# Altium PCB Main.PcbDoc (part 5 of 5)
Units mm, origin at the board's own origin, x right, y up, seen from the top; angles counter-clockwise.
Board outline 150.25 x 70.25 mm, 2 copper layers (Top Layer, Bottom Layer); 122 components, 135 nets, 595 pads, 384 vias.
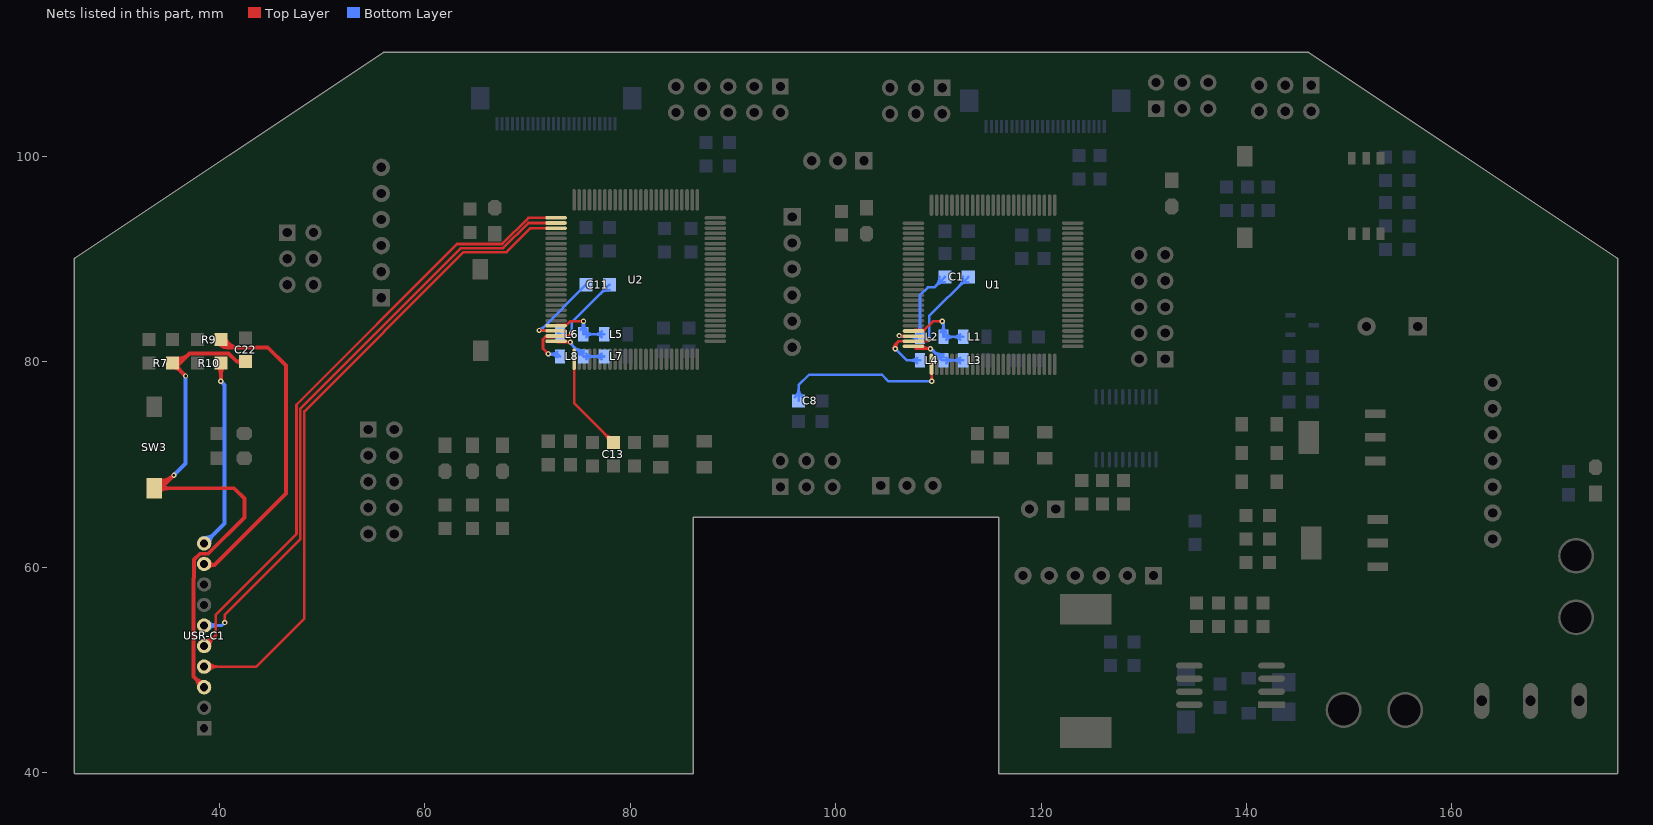
[diagram p5: the nets of this part, all layers, seen from the top]

## Via types
v1: diameter 0.508, hole 0.254, Top Layer to Bottom Layer, tented both sides, 206 vias
v2: diameter 0.508, hole 0.381, Top Layer to Bottom Layer, tented both sides, 164 vias
v3: diameter 0.762, hole 0.508, Top Layer to Bottom Layer, tented both sides, 11 vias
v4: diameter 4.5, hole 4, Top Layer to Bottom Layer, tented both sides, 3 vias

## Nets (pads, with @x,y where several pads share a name; then routed paths per layer and width w, separated by ;. In a path a pad name is that pad's centre, name@x,y a point inside that pad or via, vN(x,y) a via of type N, cw(c..) or ccw(c..) an arc to the next point about the centre after c; other vN are vias at no path point) (continued)
VDDA_A: L1.2 L2.1 U1.22 | length 12.5
  Top Layer w0.254: U1.22@107.569,83.003 107.667,83.101 108.611,83.101 ; U1.22@108.444,83.051 ccw(c108.444,83.332) 108.643,83.133 ; U1.22@108.452,83.05 ccw(c108.482,83.229) 108.611,83.101 ; v1@110.273,83.857 ccw(c110.056,83.64) 110.056,83.947 ccw(c110.056,84.254) v1@110.273,84.037 ; v1(110.363,83.947) 109.457,83.947 108.611,83.101
  Bottom Layer w0.254: L2.1@110.221,82.883 ccw(c109.57,83.533) 110.49,83.533 ccw(c111.41,83.533) L2.1@110.759,82.883 ; v1@110.273,83.857 cw(c109.75,83.334) 110.49,83.334 ; v1(110.363,83.947) 110.49,83.82 L2.1@110.49,82.423 L1.2@112.395,82.423 ; L2.1@110.759,82.154 cw(c111.41,81.503) 111.41,82.423 cw(c111.41,83.343) L2.1@110.759,82.692 ; L1.2@112.126,82.154 ccw(c111.475,81.503) 111.475,82.423 ccw(c111.475,83.343) L1.2@112.126,82.692
VDDA_B: L5.2 L6.1 U2.22 | length 12.5
  Top Layer w0.254: U2.22@72.771,83.511 72.869,83.609 73.813,83.609 ; U2.22@73.646,83.559 ccw(c73.646,83.84) 73.845,83.641 ; U2.22@73.654,83.558 ccw(c73.684,83.737) 73.813,83.609 ; v1@75.348,83.857 ccw(c75.131,83.64) 75.131,83.947 ccw(c75.131,84.254) v1@75.348,84.037 ; v1(75.438,83.947) 74.151,83.947 73.813,83.609
  Bottom Layer w0.254: L6.1@75.169,83.137 ccw(c74.518,83.787) 75.438,83.787 ccw(c76.358,83.787) L6.1@75.707,83.137 ; v1@75.328,83.884 cw(c74.94,83.66) 75.373,83.544 ; v1@75.348,83.857 cw(c75.131,83.64) 75.438,83.64 cw(c75.745,83.64) v1@75.528,83.857 ; v1(75.438,83.947) L6.1@75.438,82.677 L5.2@77.47,82.677 ; 75.503,83.544 cw(c75.936,83.66) v1@75.548,83.884 ; L6.1@75.707,82.408 cw(c76.358,81.757) 76.358,82.677 cw(c76.358,83.597) L6.1@75.707,82.946 ; L5.2@77.201,82.408 ccw(c76.55,81.757) 76.55,82.677 ccw(c76.55,83.597) L5.2@77.201,82.946
VREF_OUT_A: C8.2 U1.26 | length 19.9
  Top Layer w0.254: v1@109.257,78.195 ccw(c109.04,78.412) 109.347,78.412 ccw(c109.654,78.412) v1@109.437,78.195 ; U1.26@109.288,78.842 cw(c109.144,78.698) 109.347,78.698 ; U1.26@109.322,79.751 109.347,79.725 v1(109.347,78.105)
  Bottom Layer w0.254: C8.2@96.034,76.559 ccw(c95.167,77.426) 96.393,77.426 ccw(c97.619,77.426) C8.2@96.752,76.559 ; C8.2@96.393,76.2 96.393,77.724 97.409,78.74 104.521,78.74 105.156,78.105 v1(109.347,78.105) ; v1@109.257,78.015 ccw(c109.04,77.798) 109.04,78.105 ccw(c109.04,78.412) v1@109.257,78.195
VREF_OUT_B: C13.2 U2.26 | length 11.6
  Top Layer w0.254: U2.26@74.524,80.259 74.524,75.971 C13.2@78.359,72.136 ; C13.2@77.851,72.136 ccw(c76.625,72.136) 77.492,73.003 ccw(c78.359,73.87) C13.2@78.359,72.644
VREFH_A: C1.2 L2.2 U1.23 | length 16.5
  Top Layer w0.254: v1(106.172,82.55) 106.219,82.503 U1.23@107.569,82.503 ; v1@106.262,82.64 ccw(c106.592,82.97) U1.23@106.592,82.503
  Bottom Layer w0.254: v1(106.172,82.55) 106.299,82.423 L2.2@108.204,82.423 108.204,86.487 108.966,87.249 109.601,87.249 C1.2@110.617,88.265 ; v1@106.262,82.64 ccw(c106.785,83.163) 106.785,82.423 ; L2.2@107.935,82.154 ccw(c107.284,81.503) 107.284,82.423 ccw(c107.284,83.343) L2.2@107.935,82.692 ; L2.2@107.935,82.883 ccw(c107.284,83.533) 108.204,83.533 ccw(c109.124,83.533) L2.2@108.473,82.883 ; C1.2@110.109,88.265 cw(c108.883,88.265) 109.75,87.398 cw(c110.617,86.531) C1.2@110.617,87.757
VREFH_B: C11.2 L6.2 U2.23 | length 11.3
  Top Layer w0.254: v1(71.12,83.058) 72.724,83.058 U2.23@72.771,83.011 ; v1@71.21,82.968 cw(c71.427,82.751) 71.427,83.058 cw(c71.427,83.365) v1@71.21,83.148 ; 71.667,83.058 cw(c71.667,82.782) U2.23@71.862,82.977
  Bottom Layer w0.254: v1(71.12,83.058) v1@71.247,83.058 ; v1@71.12,83.185 ccw(c71.12,83.798) 71.554,83.365 ; L6.2@73.152,82.677 72.771,83.058 v1@71.247,83.058 ; C11.2@75.692,87.503 v1@71.247,83.058
VREFL_A: C1.1 L4.2 U1.24 | length 21.2
  Top Layer w0.254: v1@105.666,81.257 cw(c106.114,81.34) 105.792,81.662 ; v1@105.701,81.37 ccw(c105.484,81.587) 105.791,81.587 ccw(c106.098,81.587) v1@105.881,81.37 ; v1(105.791,81.28) 105.791,81.661 106.133,82.003 ; v1@105.916,81.303 cw(c106.689,81.447) 106.133,82.003 ; U1.24@108.386,82.003 ccw(c108.386,82.876) v1@109.003,82.259 ; v1(109.093,82.169) 108.927,82.003 U1.24@107.569,82.003 106.133,82.003
  Bottom Layer w0.254: v1@105.791,81.153 cw(c105.791,80.846) 106.008,81.063 cw(c106.225,81.28) v1@105.918,81.28 ; v1(105.791,81.28) 106.934,80.137 L4.2@108.204,80.137 ; L4.2@107.935,79.868 ccw(c107.284,79.217) 107.284,80.137 ccw(c107.284,81.057) L4.2@107.935,80.406 ; v1@109.003,82.259 ccw(c108.786,82.476) 109.093,82.476 ccw(c109.4,82.476) v1@109.183,82.259 ; v1(109.093,82.169) 109.093,84.455 C1.1@112.903,88.265 ; C1.1@112.395,88.265 cw(c111.169,88.265) 112.036,87.398 cw(c112.903,86.531) C1.1@112.903,87.757
VREFL_B: C11.1 L8.2 U2.24 | length 18.3
  Top Layer w0.254: 71.697,82.381 cw(c71.896,82.182) U2.24@71.896,82.463 ; v1@71.882,80.772 ccw(c71.575,80.772) 71.792,80.989 ccw(c72.009,81.206) v1@72.009,80.899 ; U2.24@71.888,82.464 ccw(c71.858,82.285) 71.73,82.413 ; v1(72.009,80.772) 71.501,81.28 71.501,81.602 71.494,81.609 71.494,82.178 71.73,82.413 ; v1@74.168,82.804 cw(c73.861,82.804) 74.078,82.587 cw(c74.295,82.37) v1@74.295,82.677 ; v1(74.295,82.804) 74.002,82.511 U2.24@72.771,82.511 72.673,82.413 71.73,82.413
  Bottom Layer w0.254: v1(72.009,80.772) 72.898,80.772 L8.2@73.152,80.518 ; v1@72.072,80.662 cw(c72.257,80.343) 72.352,80.699 ; v1@72.079,80.772 cw(c72.079,79.635) L8.2@72.883,80.439 ; v1@72.099,80.682 cw(c72.316,80.465) 72.316,80.772 cw(c72.316,81.079) v1@72.099,80.862 ; v1@72.119,80.836 ccw(c72.331,80.958) 72.268,80.721 ; 72.385,80.772 ccw(c72.385,81.475) L8.2@72.883,80.978 ; v1@74.205,82.894 ccw(c73.988,83.111) 74.295,83.111 ccw(c74.602,83.111) v1@74.385,82.894 ; v1(74.295,82.804) 74.295,83.82 C11.1@77.978,87.503 ; C11.1@77.47,87.503 cw(c76.244,87.503) 77.111,86.636 cw(c77.978,85.769) C11.1@77.978,86.995
VSSA_A: L3.2 L4.1 U1.25 | length 14.2
  Top Layer w0.254: U1.25@107.569,81.503 107.792,81.28 v1(109.22,81.28) ; 108.841,81.348 ccw(c108.948,81.75) 109.157,81.39 cw(c108.949,81.749) 108.842,81.349 ; v1@109.096,81.28 cw(c109.096,82.152) 108.478,81.537 ccw(c109.098,82.157) v1@109.098,81.28 ; v1@109.13,81.19 ccw(c108.913,80.973) 108.913,81.28 ccw(c108.913,81.587) v1@109.13,81.37 ; U1.25@108.299,81.357 ccw(c108.485,81.544) 108.485,81.28 cw(c108.485,81.544) U1.25@108.298,81.358
  Bottom Layer w0.254: v1@109.22,81.153 cw(c109.22,80.846) 109.437,81.063 cw(c109.654,81.28) v1@109.347,81.28 ; v1(109.22,81.28) 110.363,80.137 L4.1@110.49,80.137 L3.2@112.395,80.137 ; v1@109.298,81.202 ccw(c110.49,82.395) L4.1@110.49,80.709 ; v1@109.343,81.313 ccw(c109.732,81.417) 109.531,81.068 ; 109.731,80.769 ccw(c110.49,81.528) L4.1@110.49,80.454 ; L4.1@110.759,79.868 cw(c111.41,79.217) 111.41,80.137 cw(c111.41,81.057) L4.1@110.759,80.406 ; L3.2@112.126,79.868 ccw(c111.475,79.217) 111.475,80.137 ccw(c111.475,81.057) L3.2@112.126,80.406
VSSA_B: L7.2 L8.1 U2.25 | length 11.9
  Top Layer w0.254: U2.25@72.771,82.011 72.867,81.915 v1(74.168,81.915) ; U2.25@73.68,82.045 ccw(c73.994,82.359) v1@73.994,81.915 ; 73.847,81.954 ccw(c73.914,82.202) v1@74.084,82.01 ; v1@74.078,81.825 ccw(c73.861,81.608) 73.861,81.915 ccw(c73.861,82.222) v1@74.078,82.005
  Bottom Layer w0.254: v1(74.168,81.915) 74.168,81.788 L8.1@75.438,80.518 L7.2@77.47,80.518 ; v1@74.295,81.915 ccw(c74.908,81.915) 74.475,81.481 ; 74.462,81.494 ccw(c75.438,82.469) L8.1@75.438,81.09 ; 74.896,81.06 ccw(c75.438,81.602) L8.1@75.438,80.835 ; 74.922,81.034 cw(c74.597,80.709) L8.1@75.057,80.709 ; L8.1@75.707,80.249 cw(c76.358,79.598) 76.358,80.518 cw(c76.358,81.438) L8.1@75.707,80.787 ; L7.2@77.201,80.249 ccw(c76.55,79.598) 76.55,80.518 ccw(c76.55,81.438) L7.2@77.201,80.787
WIFI_LK: R10.2 USR-C1.10 | length 22.2
  Top Layer w0.381: R10.2@39.818,79.569 cw(c39.059,78.81) 40.132,78.81 cw(c41.205,78.81) R10.2@40.446,79.569 ; v1(40.132,78.105) R10.2@40.132,79.883
  Bottom Layer w0.381: USR-C1.10@38.506,62.323 38.551,62.323 40.499,64.27 40.499,77.738 v1(40.132,78.105) ; USR-C1.10@38.506,62.831 ccw(c38.506,64.166) 39.45,63.222 ; USR-C1.10@39.014,62.323 cw(c40.133,62.323) 39.342,63.114
WIFI_RD: R9.2 USR-C1.9 | length 38
  Top Layer w0.381: USR-C1.9@38.506,60.323 38.619,60.21 39.509,60.21 ; USR-C1.9@38.866,59.964 cw(c39.461,59.369) 39.461,60.21 ; USR-C1.9@38.961,60.55 ccw(c39.509,60.823) 39.509,60.21 ; R9.2@39.828,82.078 ccw(c40.729,82.348) 40.729,81.407 ; R9.2@40.132,81.724 cw(c40.132,80.651) 40.891,81.41 cw(c41.65,82.169) R9.2@40.576,82.169 ; R9.2@40.132,82.169 40.894,81.407 41.753,81.407 41.79,81.371 43.3,81.371 43.337,81.407 44.704,81.407 46.482,79.629 46.482,67.183 39.509,60.21 ; R9.2@40.193,82.187 ccw(c41.241,82.501) 41.241,81.407 ; R9.2@40.558,82.297 ccw(c41.753,82.655) 41.753,81.407
WIFI_RL: C22.2 R7.1 SW3.2 USR-C1.3 | length 68
  Top Layer w0.381: SW3.2@33.604,67.745 ccw(c33.871,68.769) 34.62,68.021 ; SW3.2@33.655,67.691 SW3.2@34.29,67.691 ; SW3.2@33.7,68.114 ccw(c34.066,69.515) 35.09,68.491 ; SW3.2@33.796,68.482 ccw(c34.261,70.26) v1(35.56,68.961) SW3.2@34.29,67.691 ; SW3.2@34.051,67.295 cw(c35.006,66.34) 35.006,67.691 cw(c35.006,69.042) SW3.2@34.051,68.087 ; R7.1@35.375,79.571 ccw(c35.517,80.336) R7.1@36.068,79.786 ; R7.1@35.433,79.438 cw(c35.433,78.365) 36.192,79.124 cw(c36.951,79.883) R7.1@35.877,79.883 ; R7.1@35.445,79.945 ccw(c35.678,81.198) 36.579,80.297 ; R7.1@35.514,80.32 ccw(c35.839,82.06) 37.091,80.808 ; R7.1@35.827,79.678 cw(c36.165,79.502) 36.165,79.883 cw(c36.165,80.264) R7.1@35.827,80.088 ; v1(36.703,78.613) R7.1@35.433,79.883 36.165,79.883 37.091,80.808 ; USR-C1.3@37.998,48.323 ccw(c36.772,48.323) 37.639,49.19 ccw(c38.506,50.057) USR-C1.3@38.506,48.831 ; USR-C1.3@38.506,48.323 37.465,49.364 37.465,58.928 37.517,58.98 37.517,60.733 38.097,61.312 38.894,61.312 42.418,64.836 42.418,66.675 41.402,67.691 SW3.2@34.29,67.691 ; C22.2@42.182,79.753 ccw(c41.686,79.402) 41.686,80.01 ccw(c41.686,80.618) C22.2@42.182,80.267 ; C22.2@42.545,80.01 41.686,80.01 40.887,80.808 37.091,80.808
  Bottom Layer w0.381: v1(35.56,68.961) 36.703,70.104 v1(36.703,78.613)
WIFI_RST: U2.3 USR-C1.4 | length 67.1
  Top Layer w0.254: USR-C1.4@38.506,50.323 43.592,50.323 48.26,54.991 48.26,75.184 63.754,90.678 67.945,90.678 70.278,93.011 U2.3@72.771,93.011 ; USR-C1.4@38.731,50.098 cw(c39.273,49.556) 39.273,50.323 cw(c39.273,51.09) USR-C1.4@38.731,50.548 ; USR-C1.4@38.911,49.919 cw(c39.886,48.943) 39.886,50.323 cw(c39.886,51.703) USR-C1.4@38.911,50.727
WIFI_RX: U2.1 USR-C1.5 | length 63
  Top Layer w0.254: USR-C1.5@38.506,52.323 38.607,52.323 39.624,53.34 ; USR-C1.5@38.513,52.64 ccw(c38.531,53.589) 39.202,52.918 ; USR-C1.5@38.518,52.894 ccw(c38.548,54.416) 39.624,53.34 ; USR-C1.5@39.078,52.323 cw(c40.215,52.323) 39.411,53.127 ; U2.1@72.771,94.011 70.075,94.011 67.531,91.467 63.146,91.467 47.498,75.819 47.498,63.246 39.624,55.372 39.624,53.34
WIFI_TX: U2.2 USR-C1.6 | length 62.7
  Top Layer w0.254: v1@40.423,54.7 ccw(c40.206,54.917) 40.513,54.917 ccw(c40.82,54.917) v1@40.603,54.7 ; v1(40.513,54.61) 40.513,55.372 47.879,62.738 47.879,75.438 63.5,91.059 67.624,91.059 70.076,93.511 U2.2@72.771,93.511
  Bottom Layer w0.254: USR-C1.6@38.506,54.323 40.226,54.323 v1(40.513,54.61) ; USR-C1.6@38.731,54.098 cw(c39.273,53.556) 39.273,54.323 cw(c39.273,55.09) USR-C1.6@38.731,54.548 ; USR-C1.6@38.911,53.919 cw(c39.886,52.943) 39.886,54.323 cw(c39.886,55.703) USR-C1.6@38.911,54.727 ; v1@40.386,54.61 cw(c40.079,54.61) 40.296,54.393 cw(c40.513,54.176) v1@40.513,54.483
pads on no net: *1.0 *1.1 *1.2 *1.15 *1.16 *1.17 *1.18 *1.20 *1.22 *1.23 *1.24 *2.0 *2.1 *2.2 *2.15 *2.16 *2.17 *2.18 *2.20 *2.22 *2.23 *2.24 BlueTeeth1.1 BlueTeeth1.6 BlueTeeth2.1 BlueTeeth2.6 ECM1.5 ECM1.6 ECM2.5 ECM2.6 JTAG_A1.7 JTAG_A1.9 JTAG_B1.7 JTAG_B1.9 S1.3 U1.3 U1.4 U1.7 U1.10 U1.11 U1.12 U1.14 U1.15 U1.16 U1.17 U1.18 U1.19 U1.20 U1.21 U1.27 U1.28 U1.29 U1.33 U1.38 U1.43 U1.65 U1.67 U1.68 U1.70 U1.79 U1.92 U2.4 U2.7 U2.10 U2.11 U2.12 U2.14 U2.15 U2.16 U2.17 U2.18 U2.19 U2.20 U2.21 U2.27 U2.28 U2.29 U2.31 U2.32 U2.33 U2.38 U2.39 U2.42 U2.43 U2.47 U2.70 U2.71 U2.72 U2.73 U2.76 U2.77 U2.78 U2.79 U2.92 U2.95 U2.96 U2.97 U2.98 U2.99 U2.100 USR-C1.7 USR-C1.8 X_A1.1 X_B1.1
copper on no net:
  other v4: 44,55 157.5,55 100.75,105

## Polygon pours and split planes (outlines as drawn)
AGND on Bottom Layer "Top Layer-No Net3" (hatched 90Degree grid 0.508 track 0.203, remove dead copper, pour order 35): 26,39.873 cw(c26,40) 25.873,40 25.873,90 cw(c26,90) 25.93,90.106 55.929,110.106 cw(c56,110) 56,110.127 146,110.127 cw(c146,110) 146.071,110.106 176.07,90.106 176.071,90.106 176.07,90.106 cw(c176,90) 176.127,90 176.127,40 cw(c176,40) 176,39.873 116,39.873 cw(c116,40) 115.873,40 115.873,64.873 86.127,64.873 86.127,40 cw(c86,40) 86,39.873
DGND on Bottom Layer "Top Layer-No Net1" (hatched 90Degree grid 0.508 track 0.203, remove dead copper, pour order 28): 26,39.873 cw(c26,40) 25.873,40 25.873,90 cw(c26,90) 25.93,90.106 55.929,110.106 cw(c56,110) 56,110.127 146,110.127 cw(c146,110) 146.071,110.106 176.07,90.106 176.071,90.106 176.07,90.106 cw(c176,90) 176.127,90 176.127,40 cw(c176,40) 176,39.873 116,39.873 cw(c116,40) 115.873,40 115.873,64.873 86.127,64.873 86.127,40 cw(c86,40) 86,39.873
AGND on Top Layer "Top Layer-No Net2" (hatched 90Degree grid 0.508 track 0.203, remove dead copper, pour order 33): 26,39.873 cw(c26,40) 25.873,40 25.873,90 cw(c26,90) 25.93,90.106 55.929,110.106 cw(c56,110) 56,110.127 146,110.127 cw(c146,110) 146.071,110.106 176.07,90.106 176.071,90.106 176.07,90.106 cw(c176,90) 176.127,90 176.127,40 cw(c176,40) 176,39.873 116,39.873 cw(c116,40) 115.873,40 115.873,64.873 86.127,64.873 86.127,40 cw(c86,40) 86,39.873
DGND on Top Layer "Top Layer-No Net" (hatched 90Degree grid 0.508 track 0.203, remove dead copper, pour order 26): 26,39.873 cw(c26,40) 25.873,40 25.873,90 cw(c26,90) 25.93,90.106 55.929,110.106 cw(c56,110) 56,110.127 146,110.127 cw(c146,110) 146.071,110.106 176.07,90.106 176.071,90.106 176.07,90.106 cw(c176,90) 176.127,90 176.127,40 cw(c176,40) 176,39.873 116,39.873 cw(c116,40) 115.873,40 115.873,64.873 86.127,64.873 86.127,40 cw(c86,40) 86,39.873

## Silkscreen, mask and mechanical layers (free items; w line width, h text height)
Top Overlay:
  rectangle: 96.139,71.628 98.298,72.39
  region: 53.213,67.31 53.213,69.469 52.451,69.469 52.451,67.31
  region: 134.112,84.328 134.112,86.487 133.35,86.487 133.35,84.328
  rectangle: 132.588,108.458 134.747,109.22
  lines w0.254: 68.326,96.774 62.484,96.774 62.484,90.932 68.453,90.932 68.453,96.774 ; 69.088,73.406 69.215,73.533 ; 122.428,68.58 122.428,69.723 122.555,69.85 124.079,69.85 ; 127.635,64.389 128.016,64.389 129.159,64.389 ; 127.635,69.977 129.413,69.977 129.413,68.072 ; 129.032,64.389 129.413,64.389 129.413,64.643 129.413,66.294 ; 137.795,75.565 137.795,58.928 137.922,58.801 144.399,58.801 144.526,58.928 144.526,75.692 137.922,75.692 ; 69.215,73.533 69.215,61.722 68.961,61.976 60.325,61.976 60.325,73.533 69.215,73.533 ; 26,40 86,40 86,65 116,65 116,40 176,40 176,90 146,110 56,110 26,90 26,40 ; 31.496,78.105 31.496,83.693 44.196,83.693 44.323,83.566 44.323,78.105 31.496,78.105 ; 37.846,68.453 37.973,68.58 37.973,74.93 44.577,74.93 44.704,74.803 44.704,68.453 37.846,68.453 ; 70.612,68.453 70.612,73.787 88.773,73.787 88.9,73.66 88.9,68.453 88.773,68.326 70.739,68.326 70.612,68.453 ; 98.806,90.424 98.806,96.52 104.648,96.52 104.648,90.424 98.806,90.424 ; 112.141,68.707 112.141,74.803 121.793,74.803 121.92,74.676 121.92,68.707 112.141,68.707 ; 133.731,52.705 143.129,52.705 143.129,57.912 143.129,58.166 133.731,58.166 133.731,52.705
  text "B18" at 84.201,109.728 h0.51 r270
  text "B16" at 86.868,109.728 h0.51 r270
  text "A19" at 94.488,109.728 h0.51 r270
  text "D6" at 105.029,109.601 h0.76 r270
  text "D4" at 107.569,109.601 h0.76 r270
  text "D2" at 110.109,109.601 h0.76 r270
  text "B3" at 89.408,109.347 h0.51 r270
  text "B1" at 92.075,109.347 h0.51 r270
  text "GND" at 142.24,109.22 h0.76 r180
  text "5V" at 146.939,102.743 h0.76 r180
  text "B19" at 84.074,102.616 h0.51 r270
  text "B17" at 86.741,102.616 h0.51 r270
  text "B9" at 89.281,102.489 h0.51 r270
  text "B2" at 91.821,102.489 h0.51 r270
  text "B0" at 94.361,102.489 h0.51 r270
  text "D7" at 104.902,102.489 h0.76 r270
  text "D5" at 107.442,102.489 h0.76 r270
  text "D3" at 109.982,102.489 h0.76 r270
  text "G" at 97.409,101.346 h0.76
  text "C1" at 99.822,101.346 h0.76
  text "C2" at 102.235,101.346 h0.76
  text "RXD" at 57.531,95.504 h1.52
  text "3.3V" at 51.054,93.853 h0.76 r270
  text "GND" at 44.069,93.599 h0.76 r270
  text "TXD" at 57.404,92.964 h1.52
  text "GND" at 57.404,90.424 h1.52
  text "GND" at 97.409,88.773 h0.76
  text "VCC" at 57.404,88.011 h1.52
  text "TXD" at 97.409,86.233 h0.76
  text "RXD" at 97.409,83.566 h0.76
  text "+" at 156.464,81.407 h0.76
  text "PTA16" at 61.595,77.724 h0.76 r270
  text "PTA15" at 64.389,77.724 h0.76 r270
  text "PTA14" at 67.31,77.724 h0.76 r270
  text "WIFI_SET" at 30.226,74.549 h0.76 r270
  text "6V" at 106.299,65.532 h0.76
  text "G" at 109.22,65.532 h0.76
  text "G" at 118.618,63.246 h0.76
  text "5V" at 120.777,63.246 h0.76
  text "-" at 167.894,61.722 h2.03 r270
  text "12V" at 117.348,60.96 h0.76
  text "M22" at 119.888,60.96 h0.76
  text "M21" at 122.555,60.96 h0.76
  text "M12" at 124.968,60.96 h0.76
  text "M11" at 127.762,60.96 h0.76
  text "G" at 130.81,60.96 h0.76
  text "+" at 167.767,55.753 h2.03 r270
  text "+" at 154.559,50.038 h2.03 r270
  text "-" at 148.717,48.387 h2.03
  text "2017.03.31" at 65.151,47.117 h1.52
  text "SCUT" at 68.961,43.942 h1.52
Bottom Overlay:
  lines w0.254: 85.725,102.108 85.725,102.743 91.186,102.743 91.186,97.536 85.725,97.536 85.725,102.362 ; 108.839,93.98 108.839,86.868 114.681,86.868 114.681,94.107 108.966,94.107 ; 142.748,74.676 142.748,85.725 147.955,85.725 147.955,74.549 142.875,74.549 ; 71.882,79.121 71.882,84.074 81.153,84.074 81.153,79.121 71.882,79.121 ; 74.168,86.233 74.168,94.234 74.295,94.361 79.629,94.361 79.629,86.233 74.168,86.233 ; 81.788,79.502 81.788,84.709 87.249,84.709 87.249,79.502 81.788,79.502 ; 81.915,89.154 81.915,94.488 87.249,94.488 87.249,89.154 81.915,89.154 ; 94.488,72.771 94.488,77.597 94.615,77.597 100.584,77.597 100.584,72.771 94.488,72.771 ; 106.553,78.613 106.553,83.947 121.539,83.947 121.539,78.613 106.553,78.613 ; 116.713,88.392 116.713,93.98 121.666,93.98 121.666,88.519 116.84,88.519 116.713,88.392 ; 122.047,96.266 122.047,101.6 127.381,101.6 127.381,96.266 122.047,96.266 ; 125.095,48.768 125.095,54.229 130.683,54.229 130.683,48.768 125.095,48.768 ; 132.08,43.307 132.08,51.181 132.461,51.181 146.05,51.181 146.05,43.307 132.08,43.307 ; 136.398,93.218 143.764,93.218 143.764,98.425 136.398,98.425 136.398,93.218 ; 151.765,89.027 157.353,89.027 157.353,101.727 152.4,101.727 151.765,101.727 151.765,89.027

## Text inside footprints (layer, text, board x,y; h text height)
1: Top Overlay "6" at 48.641,85.979 h1.02 r270; Top Overlay "5" at 46.101,85.979 h1.02 r270; Top Overlay "2" at 48.641,95.123 h1.02 r270
2: Top Overlay "6" at 139.7,104.902 h1.02 r180; Top Overlay "5" at 139.7,107.442 h1.02 r180; Top Overlay "1" at 148.59,107.442 h1.02 r180
CORE2: Top Overlay "6" at 103.759,104.648 h1.02 r180; Top Overlay "5" at 103.759,107.188 h1.02 r180; Top Overlay "2" at 112.903,104.648 h1.02 r180; Top Overlay "1" at 112.649,107.188 h1.02 r180
CORE3: Top Overlay "2" at 96.901,104.775 h1.02 r180; Top Overlay "1" at 96.647,107.315 h1.02 r180; Top Overlay "9" at 82.931,107.315 h1.02 r180; Top Overlay "10" at 82.931,104.775 h1.02 r180
ECM1: Top Overlay "6" at 101.219,69.85 h1.02; Top Overlay "5" at 101.219,67.31 h1.02; Top Overlay "2" at 92.075,69.85 h1.02; Top Overlay "1" at 92.329,67.31 h1.02
ECM2: Top Overlay "6" at 137.795,106.68 h1.02; Top Overlay "5" at 137.795,104.14 h1.02; Top Overlay "2" at 128.651,106.68 h1.02; Top Overlay "1" at 128.905,104.14 h1.02
JTAG_A1: Top Overlay "2" at 130.048,77.978 h1.02 r90; Top Overlay "1" at 132.588,78.232 h1.02 r90; Top Overlay "9" at 132.588,91.948 h1.02 r90; Top Overlay "10" at 130.048,91.948 h1.02 r90
JTAG_B1: Top Overlay "2" at 56.515,75.692 h1.02 r270; Top Overlay "1" at 53.975,75.438 h1.02 r270; Top Overlay "9" at 53.975,61.722 h1.02 r270; Top Overlay "10" at 56.515,61.722 h1.02 r270
USR-C1: Top Overlay "ATT" at 29.591,62.103 h1.02